# Altium PCB RF-BIG-DB5AT_v1.pcbdoc (part 6 of 7)
Units mm, origin at the board's own origin, x right, y up, seen from the top; angles counter-clockwise.
Board outline 281 x 128.57 mm, 2 copper layers (Top Layer, Bottom Layer), stack 1.671 mm thick; 500 components, 260 nets, 1552 pads, 9606 vias.
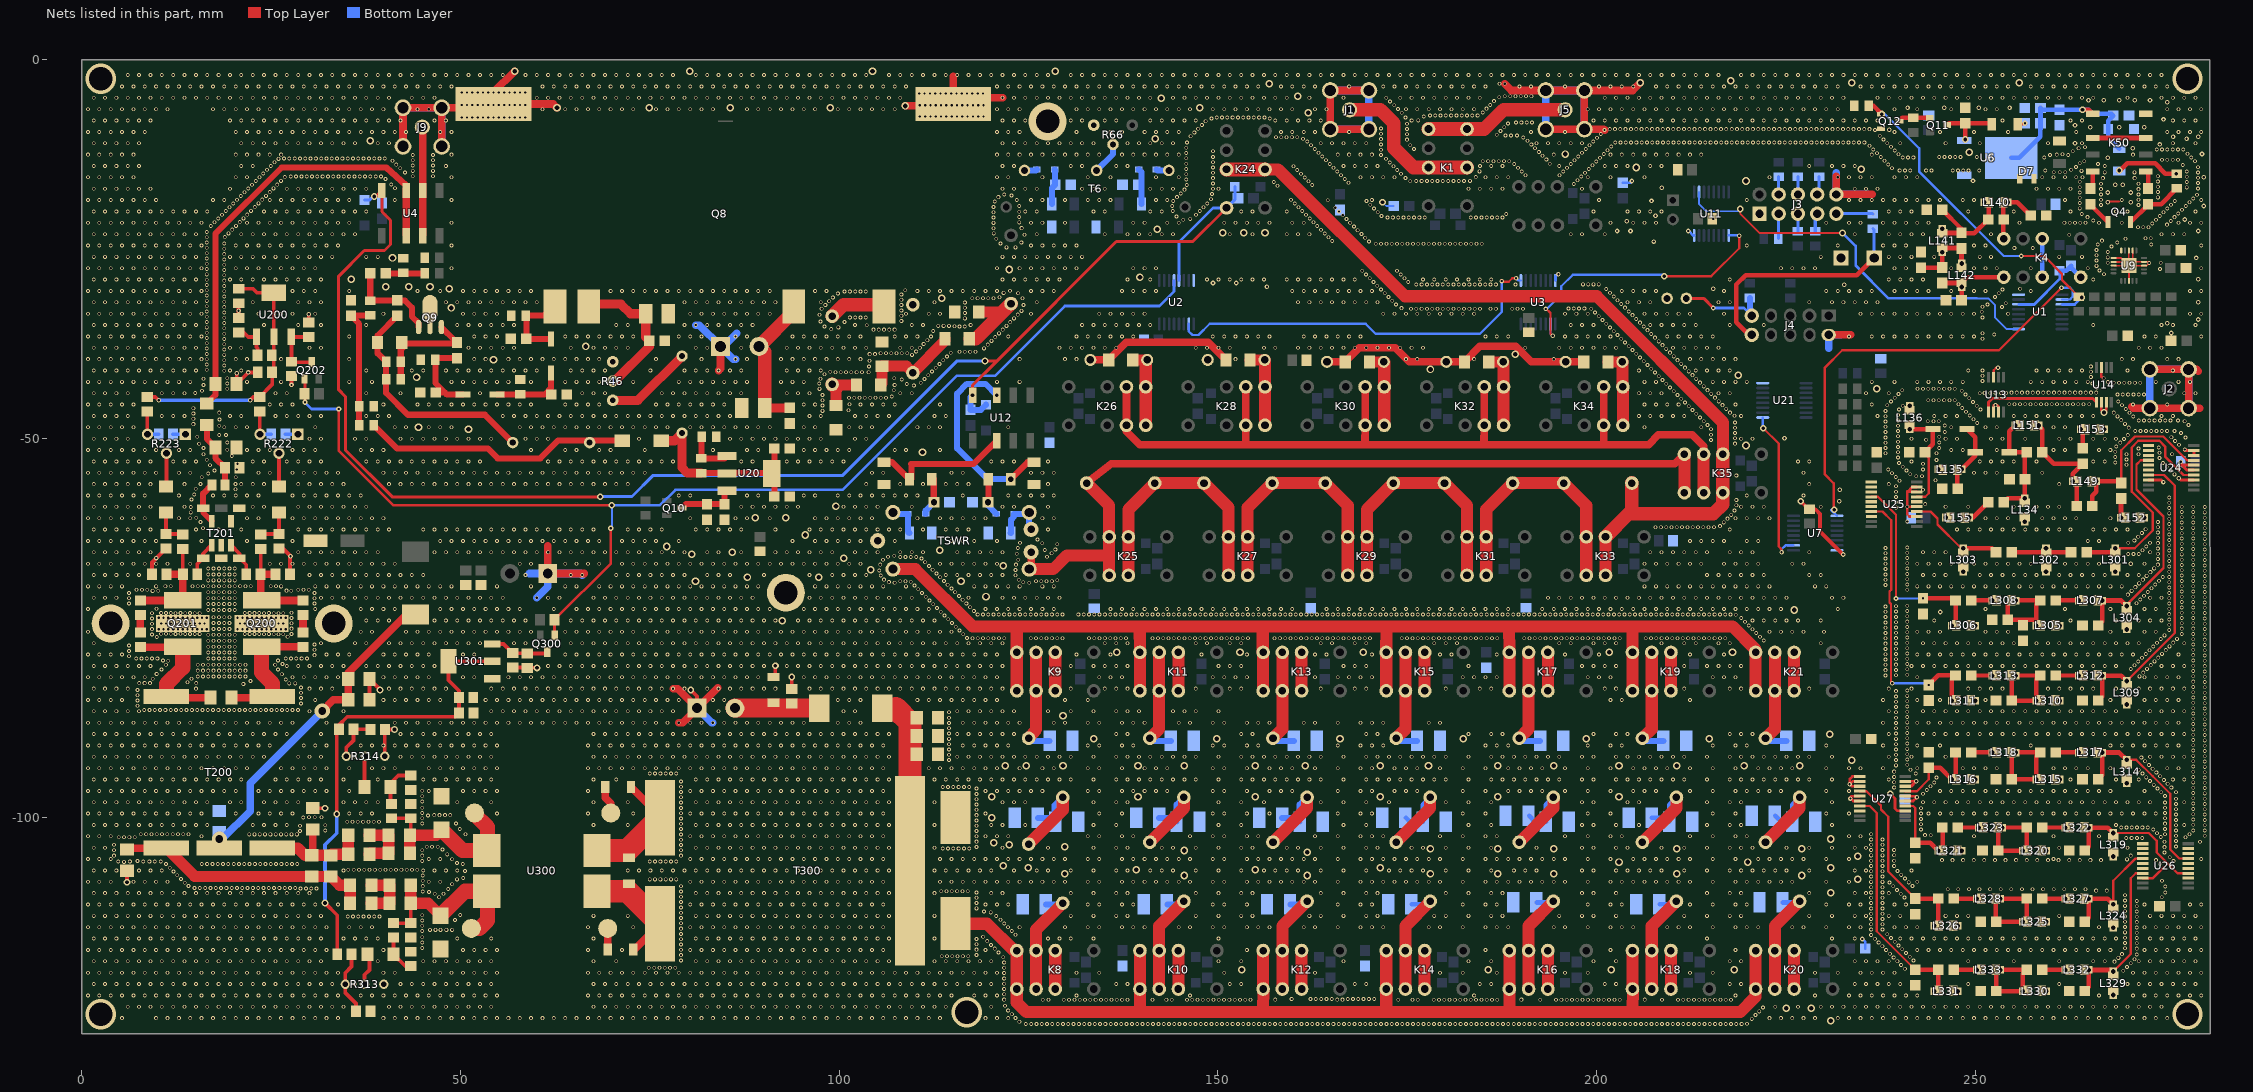
[diagram p6: the nets of this part, all layers, seen from the top]

## Via types
v1: diameter 0.5, hole 0.3, Top Layer to Bottom Layer, tented both sides, 9171 vias
v2: diameter 1, hole 0.61, Top Layer to Bottom Layer, 141 vias
v3: diameter 0.9, hole 0.5, Top Layer to Bottom Layer, 84 vias
v4: diameter 0.61, hole 0.305, Top Layer to Bottom Layer, 83 vias
v5: diameter 0.5, hole 0.3, Top Layer to Bottom Layer, tented bottom, 64 vias
v6: diameter 0.6, hole 0.3, Top Layer to Bottom Layer, 43 vias
v7: diameter 4, hole 3.1, Top Layer to Bottom Layer, 6 vias
v8: diameter 0.7, hole 0.3, Top Layer to Bottom Layer, 4 vias
v9: diameter 0.61, hole 0.306, Top Layer to Bottom Layer, 3 vias
v10: diameter 0.5, hole 0.305, Top Layer to Bottom Layer, 2 vias
v11: diameter 2, hole 1, Top Layer to Bottom Layer, 2 vias
v12: diameter 0.5, hole 0.3, Top Layer to Bottom Layer, 1 vias
v13: diameter 5, hole 3.1, Top Layer to Bottom Layer, 1 vias
v14: diameter 1, hole 0.4, Top Layer to Bottom Layer, 1 vias

## Nets (pads, with @x,y where several pads share a name; then routed paths per layer and width w, separated by ;. In a path a pad name is that pad's centre, name@x,y a point inside that pad or via, vN(x,y) a via of type N, cw(c..) or ccw(c..) an arc to the next point about the centre after c; other vN are vias at no path point) (continued)
GND: (continued)
  other v2: 230.886,-126.873 225.044,-125.222 228.346,-125.222 153.162,-120.142 185.674,-120.142 201.93,-120.142 218.186,-120.142 230.886,-109.982 234.442,-108.204 145.542,-107.696 161.798,-107.696 227.076,-107.696 129.794,-107.442 178.054,-107.442 186.944,-107.442 194.31,-107.442 210.566,-107.442 139.192,-106.934 154.94,-106.934 124.968,-106.68 171.45,-106.68 230.886,-106.68 121.666,-106.426 202.946,-105.918 219.964,-105.918 234.442,-105.156 161.798,-104.648 145.542,-104.394 178.054,-104.14 186.944,-104.14 194.31,-104.14 210.566,-104.14 227.076,-104.14 129.794,-103.886 122.428,-103.632 120.396,-103.378 230.886,-102.87 120.142,-100.076 120.142,-97.282 139.446,-97.282 154.94,-97.282 171.45,-97.282 186.944,-97.282 202.946,-97.282 121.92,-93.218 124.714,-93.218 129.54,-93.218 139.446,-93.218 145.542,-93.218 154.94,-93.218 161.544,-93.218 171.45,-93.218 177.8,-93.218 186.944,-93.218 194.31,-93.218 202.946,-93.218 210.566,-93.218 219.456,-93.218 226.822,-93.218 233.68,-92.456 133.604,-89.662 149.86,-89.662 166.116,-89.662 182.372,-89.662 198.628,-89.662 214.884,-89.662 230.759,-89.027 129.54,-86.614 136.652,-78.232 152.908,-78.232 169.164,-78.232 201.676,-78.232 217.932,-78.232 92.456,-74.041 226.06,-72.644 119.38,-70.866 81.026,-68.834 116.078,-68.834 87.884,-68.326 97.282,-68.326 104.14,-67.31 121.666,-66.802 100.584,-65.786 80.518,-65.278 85.852,-65.024 113.284,-64.77 77.216,-64.262 95.504,-62.738 88.9,-60.452 92.964,-60.452 99.568,-58.928 110.998,-51.816 219.71,-50.927 51.054,-48.768 44.45,-48.514 236.982,-43.434 44.196,-41.91 218.694,-41.656 178.054,-40.884 54.356,-39.624 189.23,-38.862 66.548,-37.846 48.768,-32.766 113.538,-31.496 48.514,-30.226 40.132,-29.972 43.18,-29.972 45.974,-29.972 35.56,-28.956 139.7,-28.702 122.428,-27.686 41.021,-26.162 150.622,-22.86 153.416,-22.86 156.21,-22.86 141.986,-22.352 219.71,-16.002 234.95,-14.478 205.232,-14.224 195.834,-12.446 249.174,-12.192 38.1,-10.668 141.732,-10.414 161.925,-6.985 74.93,-6.35 85.598,-6.35 98.806,-6.35 147.574,-6.35 142.494,-5.08 160.528,-4.826 156.772,-3.175 233.68,-3.048 255.778,-3.048 217.678,-2.794 80.264,-1.524 104.394,-1.524 128.524,-1.524
  other v4: 245.364,-72.898 270.51,-66.548 232.029,-58.293 232.102,-56.773 224.79,-49.976 275.844,-36.068 275.336,-34.798 279.4,-34.29 279.4,-32.004 215.392,-30.226 156.464,-29.972 232.664,-29.718 149.352,-29.464 152.4,-29.464 279.4,-28.956 279.146,-26.162 207.518,-24.003 202.692,-22.606 204.47,-22.606 279.4,-22.606 203.962,-21.336 277.622,-21.082 215.392,-21.017 207.772,-20.574 280.162,-19.304 270.51,-18.796 207.237,-18.633 267.462,-17.526 270.51,-17.526 208.572,-16.891 268.478,-16.51 269.444,-16.491 249.682,-15.996 280.162,-15.494 267.462,-12.954 279.908,-12.446 270.764,-11.684 274.32,-11.176 263.144,-11.023 277.876,-10.414 276.098,-10.16 279.4,-10.16 238.633,-9.232 265.176,-8.89 268.986,-8.89 272.288,-8.89 263.144,-8.636 274.828,-7.874 241.046,-6.35 245.872,-6.35 250.444,-6.35 254.508,-6.35 275.336,-5.588 264.922,-5.334 266.954,-5.334 268.986,-5.334 271.018,-5.334 273.05,-5.334
  other v5: 10.16,-75.184 10.795,-75.184 11.43,-75.184 12.065,-75.184 12.7,-75.184 13.335,-75.184 13.97,-75.184 14.605,-75.184 15.24,-75.184 15.875,-75.184 16.51,-75.184 20.574,-75.184 21.209,-75.184 21.844,-75.184 22.479,-75.184 23.114,-75.184 23.749,-75.184 24.384,-75.184 25.019,-75.184 25.654,-75.184 26.289,-75.184 26.924,-75.184 10.477,-74.422 11.112,-74.422 11.747,-74.422 12.383,-74.422 13.018,-74.422 13.652,-74.422 14.287,-74.422 14.922,-74.422 15.557,-74.422 16.192,-74.422 20.892,-74.422 21.526,-74.422 22.162,-74.422 22.796,-74.422 23.431,-74.422 24.066,-74.422 24.701,-74.422 25.336,-74.422 25.971,-74.422 26.607,-74.422 10.16,-73.66 10.795,-73.66 11.43,-73.66 12.065,-73.66 12.7,-73.66 13.335,-73.66 13.97,-73.66 14.605,-73.66 15.24,-73.66 15.875,-73.66 16.51,-73.66 20.574,-73.66 21.209,-73.66 21.844,-73.66 22.479,-73.66 23.114,-73.66 23.749,-73.66 24.384,-73.66 25.019,-73.66 25.654,-73.66 26.289,-73.66 26.924,-73.66
  other v6: 233.495,-97.536 233.385,-95.631 242.189,-95.25
  other v7: 2.5,-126 278,-126 116.84,-125.73 92.964,-70.358 2.5,-2.5 278,-2.5
  other v10: 268.732,-24.13 269.81,-23.622
  other v13: 127.508,-8.128
"HF AMP BIAS ON": Q202.1 Q300.1 R215.1 R308.1 U2.12 | length 160.2
  Top Layer w0.35: Q202.1@29.403,-42.121 29.464,-42.182 v8(29.464,-45.226) ; v8(33.909,-46.101) 33.909,-51.603 41.107,-58.801 v3(69.977,-58.801) ; Q300.1@62.418,-75.989 R308.1@62.418,-73.914 69.85,-66.482 v8(69.85,-61.849)
  Bottom Layer w0.254: v8(69.85,-61.849) 69.977,-61.722 v3(69.977,-58.801)
  Bottom Layer w0.35: v8(29.464,-45.226) 30.339,-46.101 v8(33.909,-46.101) ; v3(69.977,-58.801) 76.327,-58.801 78.359,-56.769 100.457,-56.769 115.508,-41.718 120.588,-41.718 129.794,-32.512 142.251,-32.512 144.201,-30.562 U2.12@144.201,-29.138
"HF AMP OUT": K8.5 K8.8 K10.5 K10.8 K12.5 K12.8 K14.5 K14.8 K16.5 K16.8 K18.5 K18.8 K20.5 K20.8 T300.4 | length 160.8
  Top Layer w1.6: T300.4@115.347,-114.061 119.522,-114.061 123.063,-117.602 K8.5@123.444,-117.602 K8.8@123.444,-122.682 123.444,-124.46 124.714,-125.73 218.948,-125.73 220.98,-123.698 K20.8@220.98,-122.682 K20.5@220.98,-117.602 ; 139.7,-125.476 K10.8@139.7,-122.682 K10.5@139.7,-117.602 ; 155.956,-125.476 155.997,-122.723 K12.8@155.956,-122.682 K12.5@155.956,-117.602 ; 172.212,-125.476 K14.8@172.212,-122.682 K14.5@172.212,-117.602 ; 188.468,-125.476 K16.8@188.468,-122.682 K16.5@188.468,-117.602 ; 204.724,-125.476 204.774,-122.732 K18.8@204.724,-122.682 K18.5@204.724,-117.602
"HF AMP_IN": R211.1 R214.2 U4.2 U4.7 | length 59.1
  Top Layer w0.8: R211.1@16.51,-45.4 17.65,-44.259 R214.2@17.65,-42.799 17.65,-22.959 26.385,-14.224 40.206,-14.224 42.824,-16.595 U4.7@42.824,-17.114
  Top Layer w1: U4.2@42.824,-23.114 U4.7@42.824,-17.114
"HF BPF_OUT": K9.5 K9.8 K11.5 K11.8 K13.5 K13.8 K15.5 K15.8 K17.5 K17.8 K19.5 K19.8 K21.5 K21.8 TSWR.3 | length 174.3
  Top Layer w1.6: TSWR.3@107.085,-67.252 TSWR.3@107.082,-67.25 110.049,-67.25 117.602,-74.803 217.932,-74.803 220.98,-77.851 K21.5@220.98,-78.232 K21.8@220.98,-83.312 ; K9.8@123.444,-83.312 K9.5@123.444,-78.232 123.444,-74.93 ; 139.675,-74.931 K11.5@139.7,-78.232 K11.8@139.7,-83.312 ; 155.916,-74.93 155.916,-78.192 K13.5@155.956,-78.232 K13.8@155.956,-83.312 ; K15.8@172.212,-83.312 K15.5@172.212,-78.232 172.229,-74.93 ; 188.442,-74.803 K17.5@188.468,-78.232 K17.8@188.468,-83.312 ; K19.8@204.724,-83.312 K19.5@204.724,-78.232 204.741,-74.803
"HF SWR DET BACKW": R50.1 R54.1 U12.7 | length 26.4
  Top Layer w0.8: R50.1@122.637,-55.372 124.878,-53.131 R54.1@125.73,-53.131
  Bottom Layer w0.8: v3(120.802,-44.293) 119.309,-42.799 116.84,-42.799 115.57,-44.069 115.57,-51.308 119.634,-55.372 R50.1@122.637,-55.372
"HF SWR DET FORW": R36.2 R49.1 U12.2 | length 19.2
  Top Layer w0.8: R36.2@105.918,-53.131 105.963,-53.086 106.934,-53.086 109.22,-55.372 109.519,-55.372 109.519,-53.385 109.474,-53.34 117.754,-53.34 U12.2@120.802,-50.292
"HF SWR_OUT": K25.4 K25.9 K35.5 K35.8 L35.1 TSWR.4 TSWR.5 | length 112.8
  Top Layer w1: TSWR.4@125.082,-67.25 125.332,-67 TSWR.5@125.332,-65 TSWR.5@125.082,-65.25 ; L35.1@132.66,-55.88 135.89,-53.34 210.312,-53.34 K35.5@211.582,-52.07
  Top Layer w1.6: TSWR.4@125.082,-67.25 128.247,-67.25 130.047,-65.45 135.636,-65.45 ; L35.1@132.66,-55.88 135.636,-58.856 135.636,-65.45 ; K25.9@135.636,-68.072 135.636,-65.45 ; K35.8@211.582,-57.15 K35.5@211.582,-52.07
"HF TUNER_OUT": K24.3 K24.10 K33.3 K33.10 K35.3 K35.10 L42.2 | length 116.8
  Top Layer w1.6: K24.3@156.21,-14.478 157.939,-14.478 174.683,-31.222 200.005,-31.222 216.662,-47.879 K35.3@216.662,-52.07 ; K33.10@201.168,-68.072 K33.3@201.168,-62.992
  Top Layer w1.8: K24.10@151.13,-14.478 K24.3@156.21,-14.478 ; K33.3@201.168,-62.992 204.216,-59.944 ; L42.2@204.652,-55.88 204.652,-59.508 204.216,-59.944 ; K35.3@216.662,-52.07 K35.10@216.662,-57.15 216.662,-58.674 215.392,-59.944 204.216,-59.944
HF-VHF-SELECT: C108.1 C109.1 C124.2 D4.2 D31.2 D32.2 K24.12 U2.13 U4.8 U12.8 | length 203.3
  Top Layer w0.4: v3(38.608,-18.034) 38.831,-18.034 U4.8@39.624,-17.241 39.624,-20.059 40.767,-21.202 40.767,-24.381 39.97,-25.178 37.306,-25.178 33.909,-28.575 33.909,-43.573 34.798,-44.462 34.798,-51.511 40.986,-57.699 v3(68.453,-57.699) ; v3(117.602,-44.292) 117.595,-42.988 120.777,-39.806 ; v3(119.253,-39.751) 120.722,-39.751 120.777,-39.806 ; K24.12@151.13,-19.558 146.685,-24.003 136.58,-24.003 120.777,-39.806
  Bottom Layer w0.4: D4.2@37.338,-18.493 38.022,-18.493 v3@38.481,-18.034 ; v3@68.707,-57.658 72.644,-57.658 75.438,-54.864 100.469,-54.864 115.582,-39.751 v3(119.253,-39.751) ; U2.13@144.851,-29.138 144.851,-24.059 149.352,-19.558 K24.12@151.13,-19.558 152.224,-18.464 D32.2@152.224,-16.764
  Bottom Layer w0.8: v3(117.602,-44.292) 117.348,-44.546 C109.1@117.348,-46.214 118.71,-46.214 D31.2@119.38,-45.544
"LNA ON": Q12.1 R57.2 R75.1 U1.3 | length 43.5
  Top Layer w0.305: v4(256.032,-25.908) 259.08,-25.908 261.438,-28.266 261.438,-29.078 R57.2@263.652,-31.292
  Top Layer w0.61: R75.1@235.916,-6.096 236.543,-6.096 v3(237.625,-7.178) Q12.1@237.525,-7.178
  Bottom Layer w0.305: v3(237.625,-7.178) 238.064,-7.178 242.57,-11.684 242.57,-14.732 253.746,-25.908 v4(256.032,-25.908)
  Bottom Layer w0.35: U1.3@261.438,-32.299 263.097,-32.299 v3(264.027,-31.369)
"LPF ON": C123.1 D9.2 K4.12 U1.14 | length 11.7
  Bottom Layer w0.35: U1.14@255.706,-32.299 257.769,-32.299 261.112,-28.956 D9.2@261.112,-27.862
  Bottom Layer w0.61: D9.2@261.112,-27.862 261.966,-27.862 C123.1@262.636,-27.192 262.636,-27.432 K4.12@263.906,-28.702
"MB ALC": D2.1 J4.10 R12.1 | length 31.3
  Top Layer w0.61: J4.10@220.472,-36.322 220.091,-36.322 218.44,-34.671 218.44,-29.669 219.661,-28.448 234.356,-28.448 D2.1@236.642,-26.162
  Bottom Layer w0.4: R12.1@236.474,-22.302 236.642,-22.47 D2.1@236.642,-26.162
"MB THERM": J4.9 R13.2 R14.2 | length 11.3
  Top Layer w0.4: R14.2@211.836,-31.496 214.122,-31.496 v4(215.392,-32.766)
  Bottom Layer w0.4: v4(215.392,-32.766) 219.456,-32.766 J4.9@220.218,-33.528
  Bottom Layer w0.8: J4.9@220.218,-33.528 R13.2@220.218,-31.446
NetC2_1: C2.1 C3.2 C5.2 L3.2 | length 13
  Top Layer w1.45: C2.1@105.664,-42.741 C5.2@105.664,-40.455 108.852,-40.455 L3.2@109.728,-41.33 113.977,-37.081 C3.2@113.977,-36.83
NetC2_2: C2.2 C4.2 L1.2 | length 6.3
  Top Layer w1.45: L1.2@99.132,-42.926 C2.2@102.293,-42.926 ; C4.2@99.568,-45.651 L1.2@99.568,-43.362
  Top Layer w1.8: L1.2@99.132,-42.926 L1.2@99.06,-42.854 L1.2@99.568,-43.362
NetC3_1: C3.1 C6.2 L2.1 | length 12.1
  Top Layer w1.45: C3.1@117.163,-36.83 118.038,-36.83 ; C6.2@118.433,-33.274 121.594,-33.274
  Top Layer w1.8: 118.038,-36.83 L2.1@122.682,-32.186 121.594,-33.274
NetC12_2: C12.2 K8.4 K8.9 L7.1 | length 15.1
  Top Layer w1.6: K8.9@125.984,-122.682 K8.4@125.984,-117.602 125.984,-114.859 L7.1@129.504,-111.339
  Bottom Layer w0.8: C12.2@127.323,-111.506 129.337,-111.506 L7.1@129.504,-111.339
NetC13_2: C13.2 C14.2 L7.2 L8.1 | length 14.1
  Top Layer w1.6: L7.2@125.004,-103.545 129.504,-99.045 L8.1@129.504,-97.369
  Bottom Layer w0.8: C13.2@126.231,-100.076 127.947,-100.076 128.455,-100.584 128.455,-98.418 L8.1@129.504,-97.369
NetC15_2: C15.2 K9.4 K9.9 L8.2 | length 14.6
  Top Layer w1.6: L8.2@125.004,-89.575 125.984,-88.392 K9.9@125.984,-83.312 K9.4@125.984,-78.232
  Bottom Layer w0.8: L8.2@125.004,-89.575 125.345,-89.916 C15.2@127.769,-89.916
NetC17_2: C17.2 K10.4 K10.9 L10.1 | length 15.3
  Top Layer w1.6: K10.9@142.24,-122.682 K10.4@142.24,-117.602 142.24,-114.351 L10.1@145.506,-111.085
  Bottom Layer w0.8: C17.2@143.325,-111.506 145.085,-111.506 L10.1@145.506,-111.085
NetC18_2: C18.2 C19.2 L10.2 L11.1 | length 13.9
  Top Layer w1.6: L10.2@141.006,-103.291 145.506,-98.791 L11.1@145.506,-97.369
  Bottom Layer w0.8: C19.2@142.233,-100.076 144.025,-100.076 C18.2@144.533,-100.584 144.533,-98.342 L11.1@145.506,-97.369
NetC20_2: C20.2 K11.4 K11.9 L11.2 | length 14.8
  Top Layer w1.6: L11.2@141.006,-89.575 142.24,-88.341 K11.9@142.24,-83.312 K11.4@142.24,-78.232
  Bottom Layer w0.8: L11.2@141.006,-89.575 141.347,-89.916 C20.2@143.771,-89.916
NetC22_2: C22.2 K12.4 K12.9 L13.1 | length 15.3
  Top Layer w1.6: K12.9@158.496,-122.682 K12.4@158.496,-117.602 158.496,-114.351 L13.1@161.762,-111.085
  Bottom Layer w0.8: C22.2@159.581,-111.506 161.341,-111.506 L13.1@161.762,-111.085
NetC23_2: C23.2 C24.2 L13.2 L14.1 | length 13.9
  Top Layer w1.6: L13.2@157.262,-103.291 161.762,-98.791 L14.1@161.762,-97.369
  Bottom Layer w0.8: C23.2@158.489,-100.076 160.281,-100.076 C24.2@160.789,-100.584 160.789,-98.342 L14.1@161.762,-97.369
NetC25_2: C25.2 K13.4 K13.9 L14.2 | length 14.8
  Top Layer w1.6: L14.2@157.262,-89.575 158.496,-88.341 K13.9@158.496,-83.312 K13.4@158.496,-78.232
  Bottom Layer w0.8: L14.2@157.262,-89.575 157.603,-89.916 C25.2@160.027,-89.916
NetC27_2: C27.2 K14.4 K14.9 L16.1 | length 15.6
  Top Layer w1.6: K14.9@174.752,-122.682 K14.4@174.752,-117.602 174.752,-114.351 L16.1@178.018,-111.085
  Bottom Layer w0.61: C27.2@175.583,-111.506 177.597,-111.506 L16.1@178.018,-111.085
NetC28_2: C28.2 C29.2 L16.2 L17.1 | length 13.8
  Top Layer w1.6: L16.2@173.518,-103.291 178.018,-98.791 L17.1@178.018,-97.369
  Bottom Layer w0.61: C29.2@174.821,-100.076 175.329,-100.584 C28.2@177.045,-100.584 177.045,-98.343 L17.1@178.018,-97.369
NetC30_2: C30.2 K15.4 K15.9 L17.2 | length 14.8
  Top Layer w1.6: L17.2@173.518,-89.575 174.752,-88.341 K15.9@174.752,-83.312 K15.4@174.752,-78.232
  Bottom Layer w0.8: L17.2@173.518,-89.575 173.859,-89.916 C30.2@176.283,-89.916
NetC32_2: C32.2 K16.4 K16.9 L19.1 | length 15.2
  Top Layer w1.6: K16.9@191.008,-122.682 K16.4@191.008,-117.602 191.008,-114.351 L19.1@194.274,-111.085
  Bottom Layer w0.61: C32.2@192.093,-111.252 194.107,-111.252 L19.1@194.274,-111.085
NetC33_2: C33.2 C34.2 L19.2 L20.1 | length 13.9
  Top Layer w1.6: L19.2@189.774,-103.291 194.274,-98.791 L20.1@194.274,-97.369
  Bottom Layer w0.61: C33.2@191.077,-99.822 191.839,-100.584 C34.2@193.301,-100.584 193.301,-98.343 L20.1@194.274,-97.369
NetC35_2: C35.2 K17.4 K17.9 L20.2 | length 14.8
  Top Layer w1.6: L20.2@189.774,-89.575 191.008,-88.341 K17.9@191.008,-83.312 K17.4@191.008,-78.232
  Bottom Layer w0.8: L20.2@189.774,-89.575 190.115,-89.916 C35.2@192.539,-89.916
NetC37_2: C37.2 K18.4 K18.9 L22.1 | length 15.3
  Top Layer w1.6: K18.9@207.264,-122.682 K18.4@207.264,-117.602 207.264,-114.351 L22.1@210.53,-111.085
  Bottom Layer w0.61: C37.2@208.349,-111.506 210.109,-111.506 L22.1@210.53,-111.085
NetC39_2: C39.2 C40.2 L22.2 L23.1 | length 13.9
  Top Layer w1.6: L22.2@206.03,-103.291 210.53,-98.791 L23.1@210.53,-97.369
  Bottom Layer w0.61: C39.2@207.257,-100.076 209.049,-100.076 C40.2@209.557,-100.584 209.557,-98.343 L23.1@210.53,-97.369
NetC41_2: C41.2 K19.4 K19.9 L23.2 | length 14.8
  Top Layer w1.6: L23.2@206.03,-89.575 207.264,-88.341 K19.9@207.264,-83.312 K19.4@207.264,-78.232
  Bottom Layer w0.8: L23.2@206.03,-89.575 206.371,-89.916 C41.2@208.795,-89.916
NetC43_2: C43.2 K20.4 K20.9 L25.1 | length 15.2
  Top Layer w1.6: K20.9@223.52,-122.682 K20.4@223.52,-117.602 223.52,-114.351 L25.1@226.786,-111.085
  Bottom Layer w0.61: C43.2@224.605,-111.252 226.619,-111.252 L25.1@226.786,-111.085
NetC44_2: C44.2 C45.2 L25.2 L26.1 | length 13.9
  Top Layer w1.6: L25.2@222.286,-103.291 226.786,-98.791 L26.1@226.786,-97.369
  Bottom Layer w0.61: C44.2@223.589,-99.822 224.351,-100.584 C45.2@225.813,-100.584 225.813,-98.343 L26.1@226.786,-97.369
NetC46_2: C46.2 K21.4 K21.9 L26.2 | length 14.8
  Top Layer w1.6: L26.2@222.286,-89.575 223.52,-88.341 K21.9@223.52,-83.312 K21.4@223.52,-78.232
  Bottom Layer w0.8: L26.2@222.286,-89.575 222.627,-89.916 C46.2@225.051,-89.916
NetC65_1: C65.1 C67.2 C68.2 L33.2 | length 11.5
  Top Layer w0.8: C68.2@46.75,-43.942 47.956,-43.942 ; C67.2@49.53,-39.384 46.926,-39.384 L33.2@46.686,-39.624 46.686,-42.672 47.956,-43.942 ; C65.1@50.328,-44.196 48.21,-44.196 47.956,-43.942
NetC65_2: C65.2 C66.1 C72.2 L32.2 | length 9.5
  Top Layer w0.8: C65.2@54.828,-44.196 61.087,-44.196 61.976,-43.307 C66.1@61.976,-41.366
NetC66_2: C66.2 C73.2 L34.2 Q8.1 | length 10.9
  Top Layer w0.8: C66.2@61.976,-36.866 58.724,-36.866 C73.2@58.688,-36.83 58.688,-33.846 L34.2@58.624,-33.782 60.96,-33.782 Q8.1@62.484,-32.258
NetC67_1: C67.1 L31.1 Q9.D R21.1 R22.1 | length 14.6
  Top Layer w0.8: R22.1@42.114,-42.164 R21.1@42.114,-39.878 42.114,-38.261 42.919,-37.456 49.38,-37.456 49.38,-37.192 Q9.D@47.474,-35.286 ; L31.1@42.114,-37.456 L31.1@42.233,-37.456
NetC69_1: C69.1 C71.2 Q9.G R26.2 | length 12.5
  Top Layer w0.8: C71.2@38.086,-28.194 38.086,-28.489 38.086,-31.495 38.391,-31.8 42.672,-31.8 43.596,-32.724 43.596,-33.912 44.474,-34.789 Q9.G@44.474,-35.286
  Top Layer w1.2: C71.2@38.086,-28.194 C71.2@38.086,-28.489
NetC69_2: C69.2 FB1.2 L31.2 R21.2 R22.2 | length 31.2
  Top Layer w0.8: C69.2@41.656,-33.796 39.047,-36.405 39.047,-38.744 R21.2@40.182,-39.878 R22.2@40.182,-42.164 40.182,-43.992 43.053,-46.863 53.213,-46.863 FB1.2@56.896,-50.546
NetC70_1: C70.1 C74.1 J7.2 Q8.3 | length 19.2
  Top Layer w1.2: C74.1@90.147,-45.974 C70.1@93.472,-45.961
  Top Layer w1.8: C74.1@90.147,-45.974 90.147,-38.585 J7.2@89.408,-37.846 93.98,-33.274 Q8.3@93.98,-32.258
NetC71_1: C71.1 R23.1 R24.2 | length 5.1
  Top Layer w0.8: C71.1@40.146,-28.194 R23.1@45.262,-28.194
NetC75_1: C75.1 C77.1 Q8.2 R46.2 | length 23
  Top Layer w0.4: C77.1@74.445,-33.528 74.916,-33.999 C75.1@74.916,-37.084
  Top Layer w1.2: Q8.2@66.929,-32.258 71.183,-32.258 72.453,-33.528 C77.1@74.445,-33.528 74.445,-36.613 C75.1@74.916,-37.084 74.916,-37.86 70.368,-42.408 R46.2@70.104,-42.408
NetC76_2: C76.2 R26.1 R32.2 R37.2 | length 17.5
  Top Layer w0.8: R32.2@36.626,-48.26 R37.2@36.626,-45.72 36.626,-34.862 C76.2@35.56,-33.796 35.624,-33.732 R26.1@38.1,-33.732
NetC78_2: C78.2 C83.2 D37.2 FB2.2 R51.2 U20.2 U20.4 | length 26.3
  Top Layer w0.8: R51.2@81.788,-54.56 91.058,-54.56 U20.4@91.108,-54.61 ; C83.2@91.426,-57.658 C78.2@91.426,-51.308
  Top Layer w1.2: D37.2@76.479,-50.292 78.232,-50.292 FB2.2@79.248,-49.276 79.248,-53.848 79.96,-54.56 R51.2@81.788,-54.56
NetC79_2: C79.2 C82.2 Q10.3 U20.3 | length 7.7
  Top Layer w0.8: Q10.3@79.232,-59.182 79.754,-58.66 C82.2@84.836,-58.66 84.836,-57.242 U20.3@85.168,-56.91
NetC84_1: C84.1 C96.1 K26.5 K26.8 | length 10.6
  Top Layer w1.45: C84.1@138.753,-39.624 C96.1@140.656,-39.624
  Top Layer w1.6: K26.5@140.462,-48.26 K26.8@140.462,-43.18 140.462,-39.818 C96.1@140.656,-39.624
NetC85_1: C85.1 C97.1 K28.5 K28.8 | length 10.6
  Top Layer w1.45: C85.1@154.247,-39.624 C97.1@156.15,-39.624
  Top Layer w1.6: C97.1@156.15,-39.624 156.21,-39.684 K28.8@156.21,-43.18 K28.5@156.21,-48.26
NetC86_1: C86.1 C98.1 K30.5 K30.8 | length 10.3
  Top Layer w1.45: C86.1@169.995,-39.878 C98.1@171.898,-39.878
  Top Layer w1.6: C98.1@171.898,-39.878 171.958,-39.938 K30.8@171.958,-43.18 K30.5@171.958,-48.26
NetC87_1: C87.1 C99.1 K32.5 K32.8 | length 10.3
  Top Layer w1.45: C87.1@185.743,-39.878 C99.1@187.646,-39.878
  Top Layer w1.6: C99.1@187.646,-39.878 187.706,-39.938 K32.8@187.706,-43.18 K32.5@187.706,-48.26
NetC88_1: C88.1 C100.1 K34.5 K34.8 | length 10.3
  Top Layer w1.45: C88.1@201.491,-39.878 C100.1@203.394,-39.878
  Top Layer w1.6: C100.1@203.394,-39.878 203.394,-43.12 K34.8@203.454,-43.18 K34.5@203.454,-48.26
NetC89_1: C89.1 D49.1 R65.2 | length 4.8
  Bottom Layer w0.8: R65.2@128.061,-19.05 128.061,-16.959 C89.1@128.51,-16.51 128.51,-14.562 D49.1@128.427,-14.478
NetC90_2: C90.2 D50.1 R67.2 | length 4.7
  Bottom Layer w0.8: D50.1@139.543,-14.478 139.909,-14.843 R67.2@139.909,-19.05
NetC112_1: C112.1 K50.4 | length 2.4
  Top Layer w0.61: C112.1@265.176,-17.004 265.486,-16.694 K50.4@265.486,-14.722
NetC112_2: C112.2 Q4.1 | length 3.3
  Top Layer w0.61: C112.2@265.176,-19.064 265.176,-19.112 Q4.1@267.486,-21.422
NetC113_1: C113.1 D1.1 R49.2 | length 5
  Top Layer w0.8: R49.2@112.477,-55.372 112.477,-58.389 C113.1@112.508,-58.42
  Bottom Layer w0.8: D1.1@111.409,-59.944 111.408,-59.52 C113.1@112.508,-58.42
NetC117_2: C117.2 D3.1 R50.2 | length 5
  Top Layer w0.8: C117.2@119.648,-58.42 119.679,-58.389 R50.2@119.679,-55.372
  Bottom Layer w0.8: C117.2@119.648,-58.42 119.648,-58.844 D3.1@120.747,-59.944
NetC120_1: C120.1 K50.5 | length 2.4
  Top Layer w0.61: K50.5@272.486,-14.722 272.796,-15.032 C120.1@272.796,-17.004
NetC120_2: C120.2 L46.1 Q4.3 | length 8
  Top Layer w0.61: Q4.3@270.486,-21.422 272.796,-19.112 C120.2@272.796,-19.064 274.51,-19.064 L46.1@276.606,-16.968
NetC121_2: C121.2 C122.2 C127.2 C133.1 D51.1 K50.1 R39.2 U6.4 | length 25.7
  Top Layer w0.61: v3(264.146,-6.59) 264.954,-6.59 K50.1@265.486,-7.122
  Bottom Layer w0.61: U6.4@254.711,-12.954 255.778,-12.954 258.572,-10.16 C121.2@258.586,-8.382 ; C121.2@258.586,-8.382 C122.2@258.586,-6.35 258.826,-6.59 v3(264.146,-6.59) 264.954,-6.59 265.486,-7.122 267.966,-7.122 C133.1@268.21,-7.366 267.54,-8.036 267.54,-10.283 R39.2@268.986,-11.729